# Altium PCB neuro_module.PcbDoc (part 2 of 5) (continued)
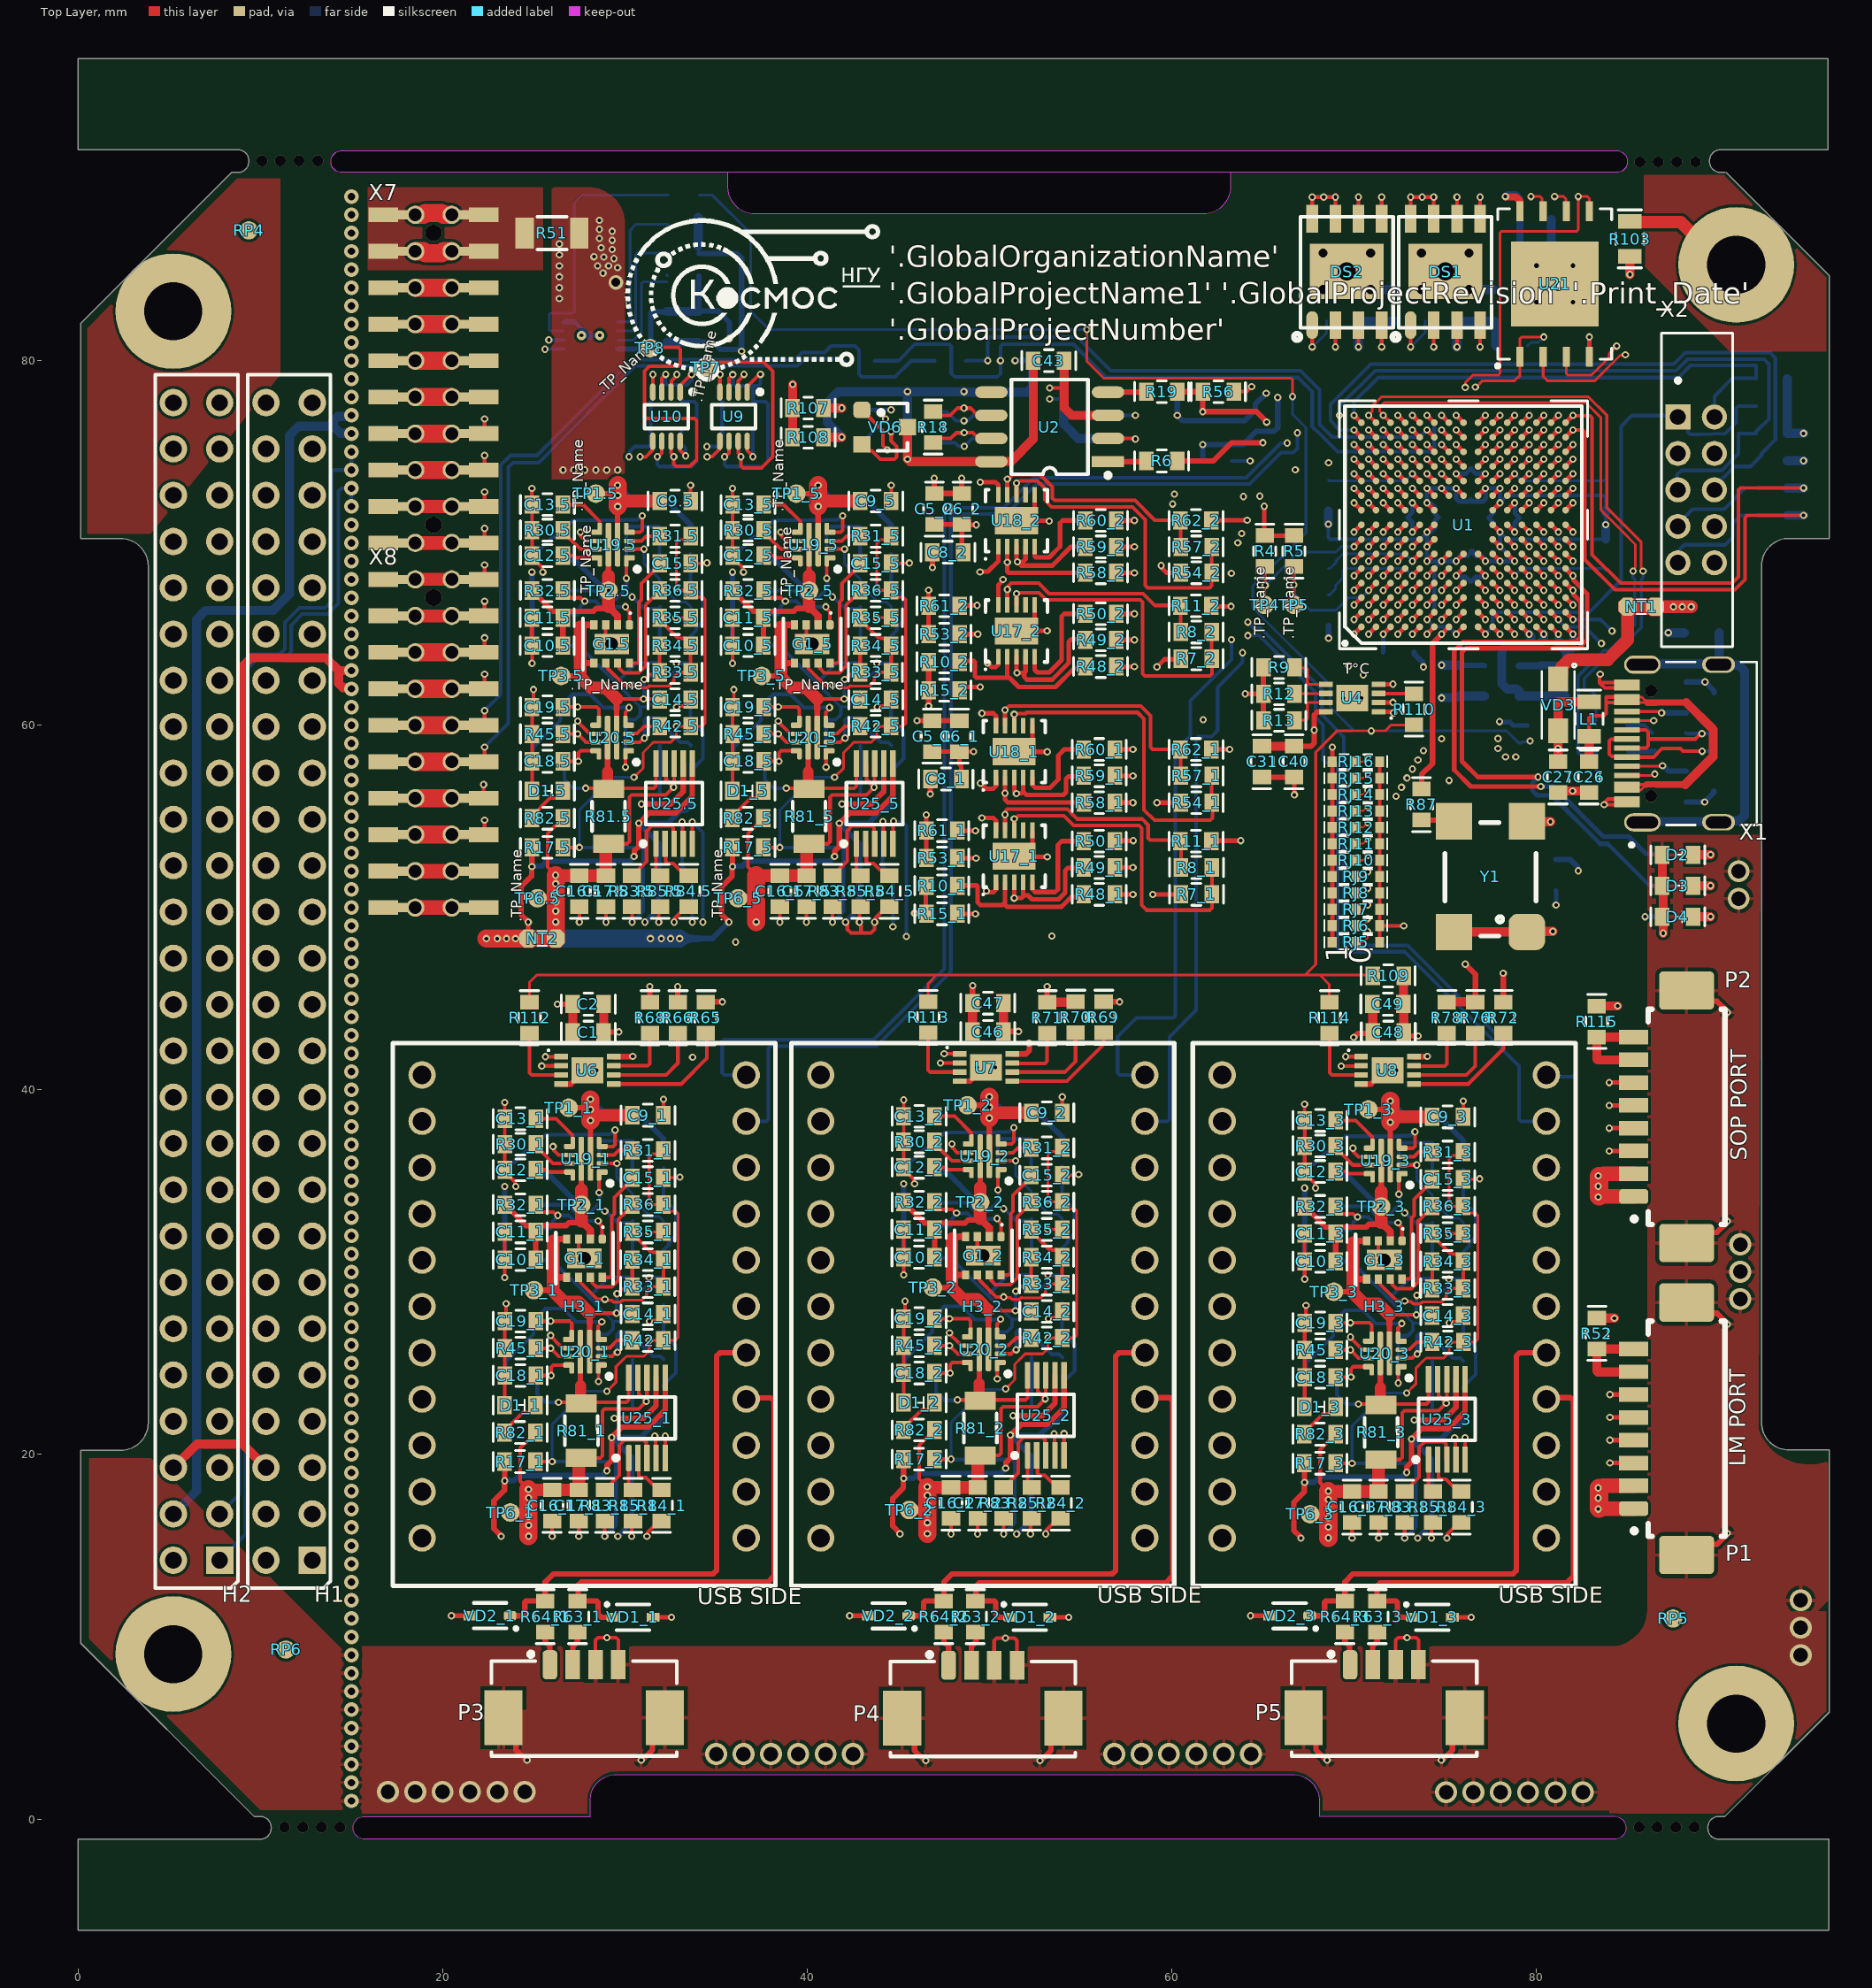
[diagram p0: Top Layer view]
## Nets (pads, with @x,y where several pads share a name; then routed paths per layer and width w, separated by ;. In a path a pad name is that pad's centre, name@x,y a point inside that pad or via, vN(x,y) a via of type N, cw(c..) or ccw(c..) an arc to the next point about the centre after c; other vN are vias at no path point) (continued)
  Bottom Layer w0.4: v1(78.3,89) 78.4,89.1 78.866,89.1 79.1,88.866 79.1,87.768 C25.2@79.121,87.747 79.1,87.726 79.1,86.368 C24.2@79.121,86.347
  Bottom Layer w0.5: R98.1@70.2,82.2 R98.1@70.237,82.163 ; v1(70.24,80.75) 70.24,82.16 R98.1@70.237,82.163 ; C21.2@72.3,82.163 R98.1@70.237,82.163 ; v1@74.805,63.295 C37.2@75.703,63.295 ; R97.1@75.6,82.2 R97.1@75.637,82.163 ; v1(75.64,80.75) 75.64,82.16 R97.1@75.637,82.163 ; R101.1@77.8,80.8 77.759,80.841 77.759,82.103 77.7,82.163 R97.1@75.637,82.163 ; R92.2@93.756,79.011 R88.1@93.756,77.511 R93.2@93.756,76.011 v1(94.656,76.011)
  Bottom Layer w1: v1(22.4,48.3) v1(23,48.3) v1(23.5,48.3) v1(24,48.3) v1(31.4,48.3) v1(32,48.3) v1(32.5,48.3) v1(33,48.3)
  other v1: 51.488,15.646 37.015,74.728
3V3_PG: R17.5.1 R31.5.1 R36.5.1 R42.5.1 R83.5.1 | length 33.4
  Top Layer w0.15: v1(30.5,57.154) 30.998,57.652 30.998,58.507 31.389,58.898 31.566,59.075 32.521,59.075 32.818,59.372 v1(32.818,59.948) R42.5.1@33.605,59.948 34.248,59.948 34.4,60.1 34.4,66.911 34.283,67.029 33.9,67.029 33.6,67.329 R36.5.1@33.6,67.4 32.935,67.4 v1(32.818,67.517) 32.818,69.979 33.017,70.178 33.403,70.178 R31.5.1@33.6,70.375
  Top Layer w0.2: R17.5.1@26.591,53.3 v1(27.5,53.3) ; v1(30.389,49.2) R83.5.1@30.389,50.049
  Bottom Layer w0.15: v1(27.5,53.3) 27.5,55.346 29.308,57.154 v1(30.5,57.154)
  Bottom Layer w0.2: v1(27.5,53.3) 30.882,53.3 30.999,53.183 30.999,49.81 v1(30.389,49.2)
3V3A: C38.2 C39.2 L4.2 U1.P1 U1.R1 | length 6.9
  Top Layer w0.25: U1.P1@80.8,65.4 v1(81.2,65) ; U1.R1@81.6,65.4 v1(82,65)
  Bottom Layer w0.4: L4.2@79.057,63.262 C39.2@80.264,63.262 ; C39.2@80.188,63.297 C38.2@81.559,63.297 81.61,63.348 81.61,64.2 ; v1(81.2,65) 81.2,64.4 81.4,64.2 81.61,64.2 ; v1(82,65) 82,64.187 81.987,64.2 81.61,64.2
5V: C1.2 C2.2 C16_5.2 C17_5.2 C31.2 C40.2 C42.2 C45.2 C46.2 C47.2 C48.2 C49.2 R66.1 R70.1 R71.1 R72.1 R77.1 R81_5.1 R82_5.1 R109.2 TP6_5.0 U4.8 U5.8 U6.8 U7.8 U8.8 U25_5.8 U25_5.9 | length 203
  Top Layer w0.2: 37.2,51.776 36.755,52.221 36.755,54.058 37.197,54.5 37.291,54.5 37.591,54.8 R82_5.1@37.591,54.9 ; R81_5.1@39.96,53.36 R81_5.1@40.1,53.5 41.133,53.5 41.25,53.617 41.25,56.063 41.368,56.18 43.245,56.18 v1(43.667,56.602) ; U25_5.9@43.2,57.9 43.25,57.85 43.25,57.019 v1(43.667,56.602) ; U25_5.8@43.7,57.9 43.7,56.636 v1(43.667,56.602)
  Top Layer w0.25: C31.2@64.948,58.852 C31.2@64.977,58.852
  Top Layer w0.3: C1.2@28.814,43.167 28.827,43.18 28.84,43.18 v1(29.667,43.18) ; C2.2@28.829,44.715 C2.2@28.84,44.704 ; U6.8@29.392,41.822 v1@30.43,41.822 ; R66.1@32.893,44.818 v1(32.893,45.659) ; C46.2@50.76,43.195 50.77,43.205 v1(51.587,43.205) ; U7.8@51.259,41.974 52.001,41.974 52.177,42.15 52.177,42.565 v1(52.171,42.57) ; R71.1@53.155,44.811 53.162,44.818 v1(53.162,45.669) ; C40.2@66.7,58.852 67.642,58.852 67.818,59.028 67.818,59.728 v1(67.812,59.735) 67.812,60.207 ; 67.812,60.207 67.812,60.568 67.988,60.743 U4.8@68.451,60.743 ; C48.2@72.731,43.167 72.94,42.959 v1(73.508,42.959) ; U8.8@73.283,41.822 74.004,41.822 v1(74.016,41.834) ; v1(78.181,46.399) v1(78.181,46.399) R72.1@78.182,44.817
  Top Layer w0.5: C1.2@28.84,43.167 28.84,43.18 C2.2@28.84,44.704 ; TP6_5.0@36.203,50.508 36.903,50.508 37.203,50.808 ; 37.2,51.043 37.203,51.041 ; 37.2,51.776 37.227,51.749 ; C46.2@50.76,43.195 C47.2@50.76,44.757 ; R71.1@53.16,44.806 R70.1@54.697,44.806 ; C31.2@64.977,58.852 C40.2@66.7,58.852 ; C49.2@72.716,44.719 R109.2@72.716,46.256 ; C48.2@72.731,43.167 C49.2@72.731,44.704
  Top Layer w0.7: 37.227,51.749 C17_5.2@39.96,51.749 R81_5.1@39.96,53.36
  Top Layer w1: 37.2,51.043 37.2,51.776 ; v1(37.203,49.208) 37.203,50.308 ; 37.203,50.808 37.203,51.041
  Power Layer w0.3: v1(29.667,43.18) 30.409,43.18 30.43,43.159 ; v1(30.43,41.833) 30.43,43.159 ; 32.436,47.015 30.672,47.015 30.43,46.774 30.43,43.159 ; v1@32.877,45.674 32.877,47.015 ; v1(35.738,81.204) 35.725,81.191 35.725,80.404 36.17,79.959 38.408,79.959 ; v1(51.587,43.205) 52.197,43.205 ; v1(52.171,42.57) 52.19,42.59 52.19,42.66 52.197,42.667 52.197,43.205 ; 52.199,47.803 52.197,47.801 52.197,46.152 ; v1(53.162,45.669) 53.15,45.682 53.15,45.976 52.974,46.152 52.197,46.152 ; v1(67.812,59.735) 67.349,60.197 67.349,62.763 68.146,63.56 68.386,63.8 ; v1(73.508,42.959) 73.512,42.955 74.016,42.955 ; v1(74.016,41.834) 74.016,42.955 ; 74.016,47.803 74.016,46.399 ; v1(78.181,46.399) 74.016,46.399 ; 52.197,43.205 52.197,46.152 ; 74.016,42.955 74.016,46.399
  Power Layer w0.5: 32.436,47.015 32.877,47.015 37.203,47.015 37.203,47.803 ; v1(37.203,49.208) 37.203,47.803 ; 38.408,79.959 44.323,79.959 45.034,79.248 54.94,79.248 56.207,77.981 62.38,77.981 63.068,77.292 67.297,77.292 67.589,76.999 67.589,64.596 68.386,63.8 71.6,63.8 73.2,62.2 75.965,62.2 77.292,60.873 77.292,60.504 77.292,48.096 76.999,47.803 74.016,47.803 52.199,47.803 37.203,47.803
  Bottom Layer w0.1: C45.2@32.274,82.677 C45.2@32.299,82.702 ; R77.1@34.024,84.675 R77.1@34.06,84.638
  Bottom Layer w0.3: U5.8@29.568,80.632 31.127,80.632 31.42,80.924 31.42,82.618 31.478,82.677 C45.2@32.274,82.677 ; R77.1@34.06,84.638 C42.2@34.06,82.728 35.098,82.728 35.738,82.088 v1(35.738,81.204)
  Bottom Layer w0.5: C45.2@32.299,82.702 C42.2@34.035,82.702
5V_PG: R17_5.1 R31_5.1 R36_5.1 R42_5.1 R83_5.1 | length 33.4
  Top Layer w0.15: v1(41.5,57.154) 41.998,57.652 41.998,58.507 42.389,58.898 42.566,59.075 43.521,59.075 43.818,59.372 v1(43.818,59.948) R42_5.1@44.605,59.948 45.248,59.948 45.4,60.1 45.4,66.911 45.283,67.029 44.9,67.029 44.6,67.329 R36_5.1@44.6,67.4 43.935,67.4 v1(43.818,67.517) 43.818,69.979 44.017,70.178 44.403,70.178 R31_5.1@44.6,70.375
  Top Layer w0.2: R17_5.1@37.591,53.3 v1(38.5,53.3) ; v1(41.389,49.2) R83_5.1@41.389,50.049
  Bottom Layer w0.15: v1(38.5,53.3) 38.5,55.346 40.308,57.154 v1(41.5,57.154)
  Bottom Layer w0.2: v1(38.5,53.3) 41.882,53.3 41.999,53.183 41.999,49.81 v1(41.389,49.2)
ADCS_PPS: H1.22 H2.22 R79.2 R80.1 X8.13 X8.14 | length 70.2
  Top Layer w0.2: X8.13@22.25,56 v1(22.25,56.75)
  Top Layer w1: X8.14@18.5,56 X8.13@20.5,56
  Signal Layer 1 w0.2: H2.22@5.232,39.573 6.432,40.773 9.112,40.773 H1.22@10.312,39.573 ; H1.22@10.293,39.583 H1.22@10.31,39.6 11.443,40.733 11.447,40.733 11.557,40.843 11.557,55.804 11.753,56 14.002,56 ; v2@14.993,56.007 18.493,56.007 17.493,57.007 v2@14.993,57.007 ; v2(15,56) 14.002,56 ; v2(15,57) 14.12,57 14.002,56.883 14.002,56
  Signal Layer 2 w0.2: v1(22.25,56.75) 23.47,57.97 23.47,67.799 23.95,68.28 23.95,69.555 25.35,70.955 25.35,74.55 26.086,75.286 v1(34.493,75.286)
  Bottom Layer w0.2: v1(34.493,75.286) 35.216,75.286 35.333,75.403 R80.1@35.333,77.749
addr0: RJ16.1 U1.E14 | length 29.8
  Top Layer w0.1: RJ16.1@70.1,58 70.498,58 v1(70.748,58.25)
  Top Layer w0.25: v1(73.2,76.2) U1.E14@73.6,75.8
  Signal Layer 1 w0.1: v1(70.748,58.25) 71.098,58.6 v1(73.8,58.6)
  Signal Layer 2 w0.1: v1(73.2,76.2) 73.6,76.6 76.1,76.6 76.9,75.8 77.295,75.8 77.55,75.545 77.55,72.855 77.026,72.331 77.026,69.669 77.55,69.145 77.55,64.59 77.026,64.066 77.026,61.188 76.342,60.504 75.582,59.744 73.712,59.744 73.45,59.482 73.45,58.95 v1(73.8,58.6)
addr1: RJ15.1 U1.D14 | length 29.2
  Top Layer w0.1: RJ15.1@70.1,57.1 70.498,57.1 v1(70.748,57.35)
  Top Layer w0.25: v1(72.4,76.2) U1.D14@72.8,75.8
  Signal Layer 1 w0.1: v1(70.748,57.35) 71.598,58.2 73.319,58.2 73.419,58.1 v1(73.5,58.1)
  Signal Layer 2 w0.1: v1(72.4,76.2) 72.8,75.8 76.4,75.8 76.826,75.374 76.826,61.342 75.478,59.994 73.608,59.994 73.2,59.586 73.2,58.481 73.5,58.181 v1(73.5,58.1)
addr2: RJ14.1 U1.C14 | length 29.9
  Top Layer w0.1: RJ14.1@70.1,56.2 70.498,56.2 v1(70.748,56.45)
  Top Layer w0.25: v1(71.6,76.2) U1.C14@72,75.8
  Signal Layer 1 w0.1: v1(70.748,56.45) 70.805,56.508 70.805,56.634 71.772,57.6 v1(73.2,57.6)
  Signal Layer 2 w0.1: v1(71.6,76.2) 71.989,75.811 71.989,75.316 72.291,75.014 76.09,75.014 76.619,74.485 76.619,61.488 75.375,60.244 73.505,60.244 72.95,59.689 72.95,57.862 73.2,57.612 v1(73.2,57.6)
addr3: RJ13.1 U1.C13 | length 29.4
  Top Layer w0.1: RJ13.1@70.1,55.3 70.498,55.3 v1(70.748,55.55)
  Top Layer w0.25: v1(71.6,75.4) U1.C13@72,75
  Signal Layer 1 w0.1: v1(70.748,55.55) 70.797,55.599 70.797,55.797 72.109,57.109 v1(72.9,57.109)
  Signal Layer 2 w0.1: v1(71.6,75.4) 71.978,75.022 71.978,74.528 72.305,74.2 76.079,74.2 76.4,73.879 76.4,61.623 75.271,60.494 73.401,60.494 72.7,59.793 72.7,57.309 v1(72.9,57.109)
addr4: RJ12.1 U1.C3 | length 33.8
  Top Layer w0.1: RJ12.1@70.1,54.4 70.498,54.4 v1(70.748,54.65)
  Top Layer w0.25: v1(71.6,66.6) U1.C3@72,67
  Signal Layer 1 w0.1: v1(70.748,54.65) 71.056,54.65 71.2,54.795 71.2,55.702 72.098,56.6 v1(72.6,56.6)
  Signal Layer 2 w0.1: v1(71.6,66.6) 71.195,67.005 70.468,67.005 70.405,67.067 70.405,71.516 70.464,71.575 72.093,71.575 72.361,71.843 75.357,71.843 76.2,71 76.2,61.706 75.238,60.744 74.774,60.744 73.298,60.744 72.45,59.896 72.45,56.817 72.6,56.667 v1(72.6,56.6)
addr5: RJ11.1 U1.D3 | length 32.8
  Top Layer w0.1: RJ11.1@70.1,53.5 70.498,53.5 v1(70.748,53.75)
  Top Layer w0.25: v1(72.4,66.6) U1.D3@72.8,67
  Signal Layer 1 w0.1: v1(70.748,53.75) 71.498,54.5 71.498,55.444 72.096,56.043 72.243,56.043 v1(72.3,56.1)
  Signal Layer 2 w0.1: v1(72.3,56.1) 72.3,56.181 72.2,56.281 72.2,60 73.194,60.994 74.774,60.994 75.135,60.994 76,61.859 76,70.9 75.257,71.643 72.444,71.643 72.176,71.375 71.254,71.375 71.195,71.316 71.195,67.31 71.455,67.05 71.745,67.05 71.806,67.111 71.889,67.111 v1(72.4,66.6)
addr6: RJ10.1 U1.D6 | length 26.1
  Top Layer w0.1: RJ10.1@70.1,52.6 70.498,52.6 v1(70.748,52.85)
  Top Layer w0.25: v1(72.4,69) U1.D6@72.8,69.4
  Signal Layer 1 w0.1: v1(70.748,52.85) 71.098,53.2 72.4,53.2 75.7,56.5 75.7,60.63 75.7,63.5 75.2,64 72.317,64 71.667,64.65 70.655,64.65 70.4,64.905 70.4,66 70.6,66.2 70.9,66.2 71.2,66.5 71.2,67.563 71.431,67.794 71.941,67.794 72,67.852 72,68.456 72.343,68.799 72.343,68.943 v1(72.4,69)
addr7: RJ9.1 U1.D4 | length 24.1
  Top Layer w0.1: RJ9.1@70.1,51.7 70.498,51.7 v1(70.748,51.95)
  Top Layer w0.25: v1(72.4,67.4) U1.D4@72.8,67.8
  Signal Layer 1 w0.1: v1(70.748,51.95) 71.748,52.95 72.504,52.95 75.95,56.396 75.95,60.63 75.95,63.65 75.4,64.2 72.5,64.2 72,64.7 72,65.3 71.886,65.414 71.379,65.414 71.194,65.599 71.194,65.994 71.394,66.194 71.794,66.194 72,66.4 72,67 v1(72.4,67.4)
addr8: RJ8.1 U1.C2 | length 22.2
  Top Layer w0.1: RJ8.1@70.1,50.8 70.498,50.8 v1(70.748,51.05)
  Top Layer w0.25: v1(71.6,65.8) U1.C2@72,66.2
  Signal Layer 1 w0.1: v1(70.748,51.05) 72.398,52.7 72.607,52.7 76.2,56.293 76.2,60.504 76.2,63.72 75.52,64.4 73.844,64.4 73.6,64.644 73.6,65.25 73.45,65.4 72.3,65.4 71.891,65.809 71.609,65.809 v1(71.6,65.8)
addr9: RJ7.1 U1.E4 | length 24.2
  Top Layer w0.1: RJ7.1@70.1,49.9 70.498,49.9 v1(70.748,50.15)
  Top Layer w0.25: v1(73.2,67.4) U1.E4@73.6,67.8
  Signal Layer 1 w0.1: v1(70.748,50.15) 72.8,52.202 72.8,52.536 76.45,56.186 76.45,56.543 76.45,60.504 76.45,63.753 76.15,64.053 76.15,65.341 76.091,65.4 73.819,65.4 73.6,65.619 73.6,66 73.4,66.2 72.873,66.2 72.8,66.273 72.8,67 v1(73.2,67.4)
addr10: RJ6.1 U1.D5 | length 27
  Top Layer w0.1: RJ6.1@70.1,49 70.498,49 70.693,49.195 70.693,49.343 v1(70.75,49.4)
  Top Layer w0.25: v1(72.4,68.2) U1.D5@72.8,68.6
  Signal Layer 1 w0.1: v1(70.75,49.4) 73.05,51.7 73.05,52.425 76.7,56.075 76.7,56.436 76.7,60.504 76.7,63.875 76.35,64.225 76.35,65.906 76.05,66.206 73.752,66.206 73.6,66.359 73.6,68.4 73.4,68.6 72.8,68.6 v1(72.4,68.2)
addr11: RJ5.1 U1.F3 | length 25.2
  Top Layer w0.1: RJ5.1@70.1,48.1 70.498,48.1 70.748,48.35 70.748,48.675 v1(70.75,48.677)
  Top Layer w0.25: v1(74,66.6) U1.F3@74.4,67
  Signal Layer 1 w0.1: v1(70.75,48.677) 73.3,51.227 73.3,51.596 73.3,52.322 76.95,55.972 76.95,56.15 76.95,60.504 76.95,63.997 76.55,64.397 76.55,66.65 76.2,67 74.4,67 v1(74,66.6)
BAT_LOW: TP8.0 U1.E2 U10.7 | length 81
  Top Layer w0.2: TP8.0@31.383,80.687 31.434,80.738 32.915,80.738 33.032,80.62 33.032,79.815 32.915,79.698 31.351,79.698 31.082,79.429 31.082,76.952 31.199,76.835 33.817,76.835 33.934,76.718 33.934,74.574 33.561,74.201 32.799,74.201 32.682,74.318 v1(32.682,74.728) ; U10.7@32.526,75.665 32.526,74.937 v1@32.682,74.782
  Top Layer w0.25: v1(73.2,65.8) U1.E2@73.6,66.2
  Signal Layer 1 w0.2: v1(32.682,74.728) 32.682,74.209 32.799,74.092 36.03,74.092 36.398,73.724 41.414,73.724 42.768,72.37 51.704,72.37 51.841,72.507 59.675,72.507 v1(60.046,72.136)
  Signal Layer 2 w0.2: v1@60.073,72.136 62.052,72.136 63.017,73.101 64.973,73.101 65.329,72.746 67.234,72.746 67.818,72.161 67.818,67.335 66.294,65.811 65.761,65.811 64.249,67.323 62.643,67.323 62.446,67.126 62.446,64.084 63.767,62.763 v1(70.51,62.763) 70.542,62.795 70.542,63.263 70.678,63.4 71.807,63.4 72.8,64.393 72.8,65.4 v1(73.2,65.8)
BAT_Low_EPS_out: H1.21 H2.21 R86.2 R104.1 X8.15 X8.16 | length 63.5
  Top Layer w0.2: X8.15@22.3,54.05 v1(22.3,54.8)
  Top Layer w1: X8.16@18.5,54 X8.15@20.5,54
  Signal Layer 1 w0.2: H2.21@7.77,39.6 8.97,38.4 11.65,38.4 H1.21@12.85,39.6 14,40.75 14,53.149 ; v2@14.851,54 14,53.149 ; v2(15,54) X8.16@18.5,54 17.5,55 v2(15,55) 14.5,55 14,54.5 14,53.149
  Signal Layer 2 w0.2: v1(22.3,54.8) 22.3,55.8 23.825,57.325 23.825,67.66 24.3,68.135 24.3,69.41 25.7,70.81 25.781,70.891 25.781,74.282 26.226,74.727 v1(30.226,74.727)
  Bottom Layer w0.2: v1(30.226,74.727) 30.264,74.765 30.264,75.034 30.516,75.286 31.293,75.286 31.41,75.403 R86.2@31.41,76.124 ; R86.2@31.422,76.135 R104.1@31.422,77.749
CAN1_GND: C43.1 H1.2 H2.2 R107.2 U2.8 VD6.3 X7.19 X7.20 | length 128.9
  Top Layer w0.2: X7.19@22.25,70 22.3,70.05 v1(22.3,70.8)
  Top Layer w0.5: R107.2@40.9,77.4 v1(41.9,77.4) ; VD6.3@45.5,76.35 v1(45.5,74.6) 45.64,74.46 U2.8@50.1,74.46 50.111,74.471 51.171,74.471 52.4,75.7 C43.1@52.4,80
  Top Layer w0.75: X7.20@18.493,69.999 X7.19@20.493,69.999
  Power Layer w0.5: v2(15,70) X7.20@18.5,70 17.5,71 v2(15,71)
  Signal Layer 1 w0.2: v1(22.3,70.8) 23.15,71.65 23.15,75.555 23.345,75.75 29.85,75.75 31.3,77.2 41.683,77.2 41.883,77.4 v1(41.9,77.4) 41.938,77.362 42.08,77.362 42.6,76.841 42.6,74.717 42.717,74.6 v1(45.5,74.6)
  Signal Layer 1 w0.5: H2.2@5.23,14.2 6.73,12.7 9.2,12.7 9.944,13.444 9.944,13.564 10.31,13.929 H1.2@10.31,14.2
  Signal Layer 2 w0.5: H2.2@5.23,14.2 6.5,15.47 6.5,65.8 7,66.3 10.9,66.3 11.6,67 11.6,71 11.9,71.3 13.63,71.3 13.93,71 14.2,71 ; v2(15,70) 14.493,70 14.2,70.293 14.2,71 ; v2(15,71) 14.2,71
CAN1_H: H1.3 H2.3 R18.2 U2.7 VD6.2 X7.15 X7.16 | length 119.4
  Top Layer w0.2: X7.15@22.25,74 22.3,74.05 v1(22.3,74.8) ; VD6.2@43,75.4 43.35,75.05 43.55,75.05 44,74.6 44.783,74.6 44.9,74.717 44.9,75.3 44.6,75.6 v1(44.6,76.1) ; R18.2@46.9,75.5 47.13,75.73 47.873,75.73 48.181,76.038 v1@48.593,76.038 ; v1(48.609,76.055) 49.086,76.055 49.411,75.73 U2.7@50.1,75.73
  Top Layer w1: X7.16@18.493,73.999 X7.15@20.493,73.999
  Power Layer w0.5: v2(15,74) X7.16@18.5,74 17.5,75 v2(15,75)
  Signal Layer 1 w0.2: H2.3@7.77,16.74 8.91,15.6 11.71,15.6 H1.3@12.85,16.74 ; v1(22.3,74.8) 22.3,76 22.75,76.45 29.55,76.45 31,77.9 41.269,77.9 41.569,78.2 42.231,78.2 44.306,76.125 44.575,76.125 v1(44.6,76.1) 46.664,76.1 48.414,77.85 48.786,77.85 49.05,77.586 49.05,76.514 48.609,76.073 v1(48.609,76.055)
  Bottom Layer w0.2: H2.3@7.77,16.74 8.85,17.82 8.85,63.25 9.503,63.903 11.061,63.903 11.35,64.192 11.35,65.645 12.155,66.45 13.555,66.45 13.925,66.82 13.925,73.883 14.042,74 v2(15,74) v2(15,75)
CAN1_L: H1.1 H2.1 R18.1 U2.6 VD6.1 X7.17 X7.18 | length 120
  Top Layer w0.2: X7.17@22.25,72 22.3,72.05 v1(22.3,72.8) ; VD6.1@43,77.3 44.15,76.15 44.15,75.35 v1(44.4,75.1) ; R18.1@46.9,77.2 47.1,77 47.85,77 48.25,77.4 v1(48.6,77.4) 48.95,77.4 49.35,77 U2.6@50.1,77
  Top Layer w0.75: X7.18@18.493,71.999 X7.17@20.493,71.999
  Power Layer w0.5: v2(15,72) X7.18@18.5,72 17.5,73 v2(15,73)
  Signal Layer 1 w0.2: H2.1@7.77,14.2 8.77,15.2 11.85,15.2 H1.1@12.85,14.2 ; v1(22.3,72.8) 22.8,73.3 22.8,75.7 23.2,76.1 29.695,76.1 31.145,77.55 41.414,77.55 41.714,77.85 42.086,77.85 43,76.936 43,75.667 43.567,75.1 46.3,75.1 v1(48.6,77.4)
  Bottom Layer w0.2: H2.1@7.77,14.2 9.2,15.63 9.2,63 9.753,63.553 11.206,63.553 11.7,64.047 11.7,65.5 12.3,66.1 13.7,66.1 14.275,66.675 14.275,72.836 14.425,72.985 14.985,72.985 v2(15,73) v2(15,72)
CAN1_VCC: C43.2 H1.4 H2.4 U2.3 X7.13 X7.14 | length 123.7
  Top Layer w0.2: X7.13@22.25,76 22.3,76.05 v1(22.3,76.8) ; v1(53.3,78.5) 54.1,78.5
  Top Layer w0.5: C43.2@54.1,80 54.1,78.5 54.1,77.4 54.5,77 U2.3@56.5,77
  Top Layer w1: X7.14@18.493,75.999 X7.13@20.493,75.999
  Power Layer w0.5: v2(15,76) X7.14@18.5,76 17.5,77 v2(15,77)
  Signal Layer 1 w0.2: v1(22.3,76.8) 29.4,76.8 30.844,78.244 30.849,78.244 30.855,78.25 41.124,78.25 41.674,78.8 53,78.8 v1(53.3,78.5)
  Signal Layer 1 w0.5: H2.4@5.23,16.74 5.23,16.936 6.295,18 9.374,18 10.119,17.256 10.119,16.931 H1.4@10.31,16.74
  Bottom Layer w0.5: H2.4@5.23,16.74 6.5,18.01 6.5,65.8 7,66.3 10.696,66.3 11.6,67.204 11.6,75.9 12.1,76.4 14,76.4 ; v2(15,76) 14.987,76.013 14.387,76.013 14,76.4 ; v2(15,77) 14.943,76.943 14.235,76.943 14,76.707 14,76.4
CAN2_GND: C44.1 H1.6 H2.6 R108.2 U3.8 VD7.3 X8.7 X8.8 | length 117.5
  Top Layer w0.2: X8.7@22.25,62 22.3,62.05 v1(22.3,62.8)
  Top Layer w0.5: H2.6@5.23,19.28 6.521,20.571 9.019,20.571 ; H1.6@10.31,19.28 9.019,20.571 ; v2(15,62) 14.943,62.057 14.535,62.057 14.3,62.293 14.3,63 ; v2(15,63) 14.3,63 ; R108.2@40.9,75.8 v1(41.9,75.8) ; 9.019,20.571 9.019,63.219 9.5,63.7 13.6,63.7 14.3,63
  Top Layer w1: X8.8@18.5,62 X8.7@20.5,62
  Power Layer w0.5: v2(15,62) X8.8@18.5,62 17.5,63 v2(15,63)
  Signal Layer 2 w0.2: v1(22.3,62.8) 22.3,63.9 23.1,64.7 23.1,67.974 23.45,68.324 ; 23.45,68.325 23.6,68.475 23.6,69.7 24.15,70.25 24.15,75.255 24.747,75.853 41.59,75.853 41.618,75.825 41.875,75.825 v1(41.9,75.8)
  Bottom Layer w0.3: v1(51.4,80) 51.408,80.008 C44.1@52.364,80.008
  Bottom Layer w0.5: v1(41.9,75.8) 41.1,76.6 41.1,77.7 41.7,78.3 v1(45.5,78.3) ; VD7.3@45.5,76.35 45.5,77.55 v1(45.5,78.3) ; C44.1@52.364,80.008 52.364,78.563 52.071,78.27 U3.8@50.1,78.27 48.63,78.27 v1(48.6,78.3) v1(45.5,78.3)
CAN2_H: H1.7 H2.7 R67.2 U3.7 VD7.2 X8.3 X8.4 | length 109.8
  Top Layer w0.2: X8.3@22.25,66 22.3,66.05 v1(22.3,66.8)
  Top Layer w0.7: X8.4@18.493,65.999 X8.3@20.493,65.999
  Power Layer w0.5: v2(15,66) X8.4@18.5,66 17.5,67 v2(15,67)
  Signal Layer 1 w0.2: H2.7@7.77,21.82 8.89,20.7 11.73,20.7 H1.7@12.85,21.82
  Signal Layer 2 w0.2: H2.7@7.77,21.82 8.89,20.7 11.283,20.7 11.4,20.817 11.4,60.766 12.034,61.4 13.6,61.4 13.9,61.7 13.9,65.5 14.4,66 v2(15,66) v2(15,67) ; v1(22.3,66.8) 22.3,68.164 22.8,68.664 22.8,69.9 23.45,70.55 23.45,75.555 24.495,76.6 43.2,76.6 43.9,77.3 v1(44.6,77.3) 45.2,77.3 45.8,76.7 v1(48.6,76.7)
  Bottom Layer w0.2: VD7.2@43,77.3 v1(44.6,77.3) ; R67.2@46.9,77.2 47.65,77.2 48.15,76.7 v1(48.6,76.7) 48.638,76.738 48.838,76.738 49.078,76.978 50.078,76.978 U3.7@50.1,77
CAN2_L: H1.5 H2.5 R67.1 U3.6 VD7.1 X8.5 X8.6 | length 107.5
  Top Layer w0.2: X8.5@22.25,64 22.3,64.05 v1(22.3,64.8)
  Top Layer w1: X8.6@18.5,64 X8.5@20.5,64
  Power Layer w0.5: v2(15,64) X8.6@18.5,64 17.5,65 v2(15,65)
  Signal Layer 1 w0.2: H2.5@7.77,19.28 8.77,20.28 11.85,20.28 H1.5@12.85,19.28
  Signal Layer 2 w0.2: H1.5@12.85,19.28 11.8,20.33 11.8,60.6 12.25,61.05 13.745,61.05 14.3,61.605 14.3,63.876 14.417,63.993 14.993,63.993 v2(15,64) v2(15,65) ; v1(22.3,64.8) 22.3,65.9 22.75,66.35 22.75,68.119 23.1,68.469 ; 23.1,68.47 23.2,68.57 23.2,69.8 23.8,70.4 23.8,75.4 24.65,76.25 43.34,76.25 43.342,76.253 43.453,76.253 43.996,76.796 44.296,76.796 v1(44.3,76.8) 44.335,76.765 45.135,76.765 45.6,76.3 47.615,76.3 v1(48.615,75.3)
  Bottom Layer w0.2: VD7.1@43,75.4 43,75.443 43.359,75.801 43.359,75.859 v1(44.3,76.8) ; R67.1@46.9,75.5 48.103,75.5 48.303,75.3 v1(48.615,75.3) 49.045,75.73 U3.6@50.1,75.73
CAN2_VCC: C44.2 H1.8 H2.8 U3.3 X8.1 X8.2 | length 115.5
  Top Layer w0.2: X8.1@22.25,68 22.3,68.05 v1(22.3,68.8)
  Top Layer w0.7: X8.2@18.493,67.999 X8.1@20.493,67.999
  Power Layer w0.5: v2(15,68) X8.2@18.5,68 17.5,69 v2(15,69)
  Signal Layer 1 w0.5: H2.8@5.23,21.82 6.51,23.1 9.03,23.1 H1.8@10.31,21.82
  Signal Layer 2 w0.2: v1(22.3,68.8) 22.338,68.838 22.338,69.938 23.1,70.7 23.1,75.7 24.35,76.95 43.05,76.95 43.85,77.75 45.336,77.75 45.586,77.5 47.964,77.5 48.314,77.85 50.614,77.85 50.864,78.1 53.064,78.1 53.264,77.9 v1(53.3,77.9)
  Signal Layer 2 w0.5: H1.8@10.31,21.82 9,23.13 9,63.407 9.293,63.7 11.307,63.7 11.6,63.993 11.6,65.7 12.17,66.27 13.47,66.27 14.1,66.9 14.1,67.9 ; v2(15,68) 14.943,67.943 14.143,67.943 14.1,67.9 ; v2(15,69) 14.943,68.943 14.443,68.943 14.1,68.6 14.1,67.9
  Bottom Layer w0.2: v1(53.3,77.9) 54.014,77.9 54.064,77.95
  Bottom Layer w0.5: C44.2@54.064,80.008 54.064,77.95 54.064,76.536 54.87,75.73 U3.3@56.5,75.73
CAN_RX1: R19.2 R56.2 U1.E13 | length 18.3
  Top Layer w0.25: v1(73.2,75.4) U1.E13@73.6,75
  Top Layer w0.3: R19.2@60.304,78.3 R56.2@61.7,78.3 v1(61.7,77.2) 64.643,77.2 65.202,76.642 v1(65.202,76.627)
  Signal Layer 1 w0.15: v1(65.202,76.627) 66.449,76.627 67.825,78.003 68.146,78.003 73.273,78.003 73.575,77.702 73.575,75.775 v1(73.2,75.4)
CAN_RX2: R55.2 R102.2 U1.L13 | length 23.9
  Top Layer w0.25: U1.L13@78.4,75 v1(78.8,75.4)
  Signal Layer 1 w0.15: v1(65.811,77.978) 66.446,78.613 68.146,78.613 74.833,78.613 76.846,76.6 77.4,76.6 77.6,76.4 77.6,75.888 77.688,75.8 78.2,75.8 78.4,75.8 v1(78.8,75.4)
  Bottom Layer w0.3: R55.2@60.2,74.5 R55.2@60.3,74.5 61.6,74.5 61.7,74.6 v1(61.7,75.4) 63.921,75.4 64.649,76.127 65.624,76.127 65.811,76.314 v1(65.811,77.978)
CAN_TX1: R6.2 U1.E12 | length 17.6
  Top Layer w0.25: v1(73.2,74.6) U1.E12@73.6,74.2
  Top Layer w0.3: R6.2@60.3,74.5 62.284,74.5 63.284,75.5 v1(65,75.5)
  Signal Layer 1 w0.15: v1(65,75.5) 65.746,75.5 67.949,77.703 68.146,77.703 72.712,77.703 72.8,77.616 72.8,75 v1(73.2,74.6)
CAN_TX2: R75.2 U1.K14 | length 22.2
  Top Layer w0.25: U1.K14@77.6,75.8 v1(78,76.2)
  Signal Layer 1 w0.15: v1(65.176,78.207) 65.883,78.913 74.887,78.913 76.3,77.5 77.246,77.5 77.6,77.146 77.6,76.8 78,76.4 v1(78,76.2)
  Bottom Layer w0.3: R75.2@60.3,78.3 v1(60.3,77) 60.6,76.7 64,76.7 64.579,77.279 64.579,77.609 v1(65.176,78.207)
CASE: pad.1@90.96,85.255 R103.2 | length 7.7
  Top Layer w0.5: v1(88.887,83.531) pad.1@88.887,84.38
  Top Layer w0.7: R103.2@85.127,87.627 85.154,87.6 87.91,87.6 90.255,85.255 pad.1@90.96,85.255
D+: L2.3 VD4.1 X1.A6 X1.B6 | length 7.8
  Top Layer w0.2: X1.A6@84.969,58.75 86.015,58.75 86.132,58.868 86.132,59.25 ; X1.B6@84.969,59.75 86.015,59.75 86.132,59.633 86.132,59.25 ; v1(89.078,59.538) 89.024,59.538 88.737,59.25 86.132,59.25
  Bottom Layer w0.2: L2.3@88.191,59.577 88.23,59.538 v1(89.078,59.538) 89.098,59.557 89.731,59.557 VD4.1@89.751,59.577
D-: L2.2 VD5.1 X1.A7 X1.B7 | length 8.7
  Top Layer w0.2: X1.A7@84.969,59.25 84.963,59.244 84.104,59.244 83.993,59.133 83.993,58.425 84.133,58.286 84.934,58.286 X1.B7@84.969,58.25 86.418,58.25 86.893,58.725 87.89,58.725 88.043,58.572 v1(89.093,58.572)
  Bottom Layer w0.2: L2.2@88.191,58.577 88.196,58.572 89.103,58.572 89.117,58.586 89.72,58.586 VD5.1@89.734,58.6
DEBUG_RX_1: P3.2 R63_1.1 | length 2
  Top Layer w0.1: P3.2@27.102,8.498 P3.2@27.137,8.463
  Top Layer w0.3: P3.2@27.143,8.469 27.143,9.476 27.402,9.735 R63_1.1@27.402,10.268
DEBUG_RX_2: P4.2 R63_2.1 | length 1.9
  Top Layer w0.3: P4.2@49.013,8.471 49.013,9.478 49.271,9.737 R63_2.1@49.271,10.27
DEBUG_RX_3: P5.2 R63_3.1 | length 1.9
  Top Layer w0.3: P5.2@71.009,8.471 71.009,9.478 71.268,9.737 R63_3.1@71.268,10.27
DEBUG_TX_1: P3.1 R64_1.1 | length 2.1
  Top Layer w0.3: R64_1.1@25.619,10.252 25.629,10.262 25.629,9.728 25.887,9.47 P3.1@25.887,8.463 P3.1@25.756,8.594
DEBUG_TX_2: P4.1 R64_2.1 | length 1.9
  Top Layer w0.3: R64_2.1@47.498,10.263 47.498,9.73 47.757,9.471 P4.1@47.757,8.464
DEBUG_TX_3: P5.1 R64_3.1 | length 1.9
  Top Layer w0.3: R64_3.1@69.494,10.263 69.494,9.73 69.753,9.471 P5.1@69.753,8.464
Ena_4: R25.5.2 R26.5.2 R29.5.2 | length 5.6
  Bottom Layer w0.3: v1(24.9,68.4) v1(24.9,68.4) 24.901,67.388 R25.5.2@24.902,67.387 ; R26.5.2@24.903,65.851 R25.5.2@24.902,67.387 ; R29.5.2@24.902,64.374 24.902,65.9 R29.5.2@24.902,64.374
Ena_5: R25_5.2 R26_5.2 R29_5.2 | length 5.6
  Bottom Layer w0.3: v1(35.9,68.4) 35.901,68.399 35.901,67.388 R25_5.2@35.902,67.387 R26_5.2@35.903,65.851 ; R29_5.2@35.901,64.374 35.902,65.9 R29_5.2@35.901,64.374
FLASH_CS: R101.2 U1.P12 U21.1 | length 18.8
  Top Layer w0.15: v1(76.65,78.55) 76.701,78.55 77.051,78.9 78.8,78.9 79.1,79.2 79.1,81.212 79.188,81.3 v1(80.4,81.3)
  Top Layer w0.25: U1.P12@80.8,74.2 v1(81.2,74.6)
  Signal Layer 1 w0.15: v1(76.65,78.55) 76.698,78.502 76.998,78.502 77.9,77.6 82.312,77.6 82.5,77.412 82.5,75.642 82.4,75.542 82.4,74.313 82.312,74.225 81.302,74.225 81.214,74.313 81.214,74.586 v1(81.2,74.6)
  Bottom Layer w0.15: R101.2@79.5,80.8 79.699,80.999 80.099,80.999 v1(80.4,81.3)
FLASH_HOLD_IO3: U1.N2 U21.7 | length 35.4
  Top Layer w0.15: v1(79.7,89) 80.2,89 80.313,88.887 80.313,88.257 U21.7@80.37,88.2
  Top Layer w0.25: U1.N2@80,66.2 v1(80.4,65.8)
  Signal Layer 1 w0.15: v1(79.7,89) 79.675,88.975 79.675,88.575 79.5,88.4 78.488,88.4 78.4,88.312 78.4,81.4 79.3,80.5 83.827,80.5 85.2,79.127 85.2,71.2 84.395,70.395 83.739,69.739 83.739,66.802 82.362,65.425 80.975,65.425 80.648,65.752 80.448,65.752 v1(80.4,65.8)
FLASH_MISO_IO1: U1.L2 U21.2 | length 28.7
  Top Layer w0.15: U21.2@80.37,80.22 80.37,79.13 80.6,78.9 83.2,78.9 84.599,80.299 84.866,80.299 v1(84.883,80.317)
  Top Layer w0.25: U1.L2@78.4,66.2 v1(78.8,65.8)
  Signal Layer 1 w0.15: v1(78.8,65.8) 79.175,66.175 79.755,66.175 80.025,65.905 80.025,65.645 80.27,65.4 80.53,65.4 80.775,65.155 80.775,64.895 81.045,64.625 82.155,64.625 83.854,66.324 83.989,66.459 83.989,67.646 83.989,69.489 84.395,69.895 85.5,71 85.5,79.252 84.772,79.979 84.772,80.138 84.883,80.249 v1(84.883,80.317)
FLASH_MOSI_IO0: U1.N10 U21.5 | length 32.1
  Top Layer w0.15: v1(76.096,78.534) 76.115,78.554 76.115,78.815 76.154,78.854 76.5,79.2 77.9,79.2 78,79.3 78,87.012 78.088,87.1 82.212,87.1 82.3,87.188 v1(82.3,89) 82.8,89 82.908,88.892 U21.5@82.908,88.192
  Top Layer w0.25: U1.N10@80,72.6 v1(80.4,73)
  Signal Layer 1 w0.15: v1(76.096,78.534) 76.096,78.576 76.374,78.854 76.445,78.925 77.075,78.925 78.1,77.9 82.5,77.9 82.8,77.6 82.8,75.554 82.65,75.404 82.65,73.804 82.246,73.4 80.8,73.4 v1(80.4,73)
FLASH_SCK: U1.L1 U21.6 | length 41.2
  Top Layer w0.15: v1(81,89) 81.5,89 81.613,88.887 81.613,88.217 U21.6@81.638,88.192
  Top Layer w0.25: U1.L1@78.4,65.4 v1(78.8,65)
  Signal Layer 1 w0.15: v1(78.8,65) 79.675,64.125 82.504,64.125 83.854,65.475 84.589,66.21 84.589,69.24 86.1,70.751 86.1,79.5 85.749,79.852 85.608,79.992 85.608,80.617 84.969,81.257 84.057,81.257 83.6,80.8 79.424,80.8 78.7,81.524 78.7,88.012 78.788,88.1 80.4,88.1 80.952,88.652 80.952,88.952 v1(81,89)